# Altium PCB RoBeast_Control_Board_PCB.PcbDoc (part 2 of 3) (continued)
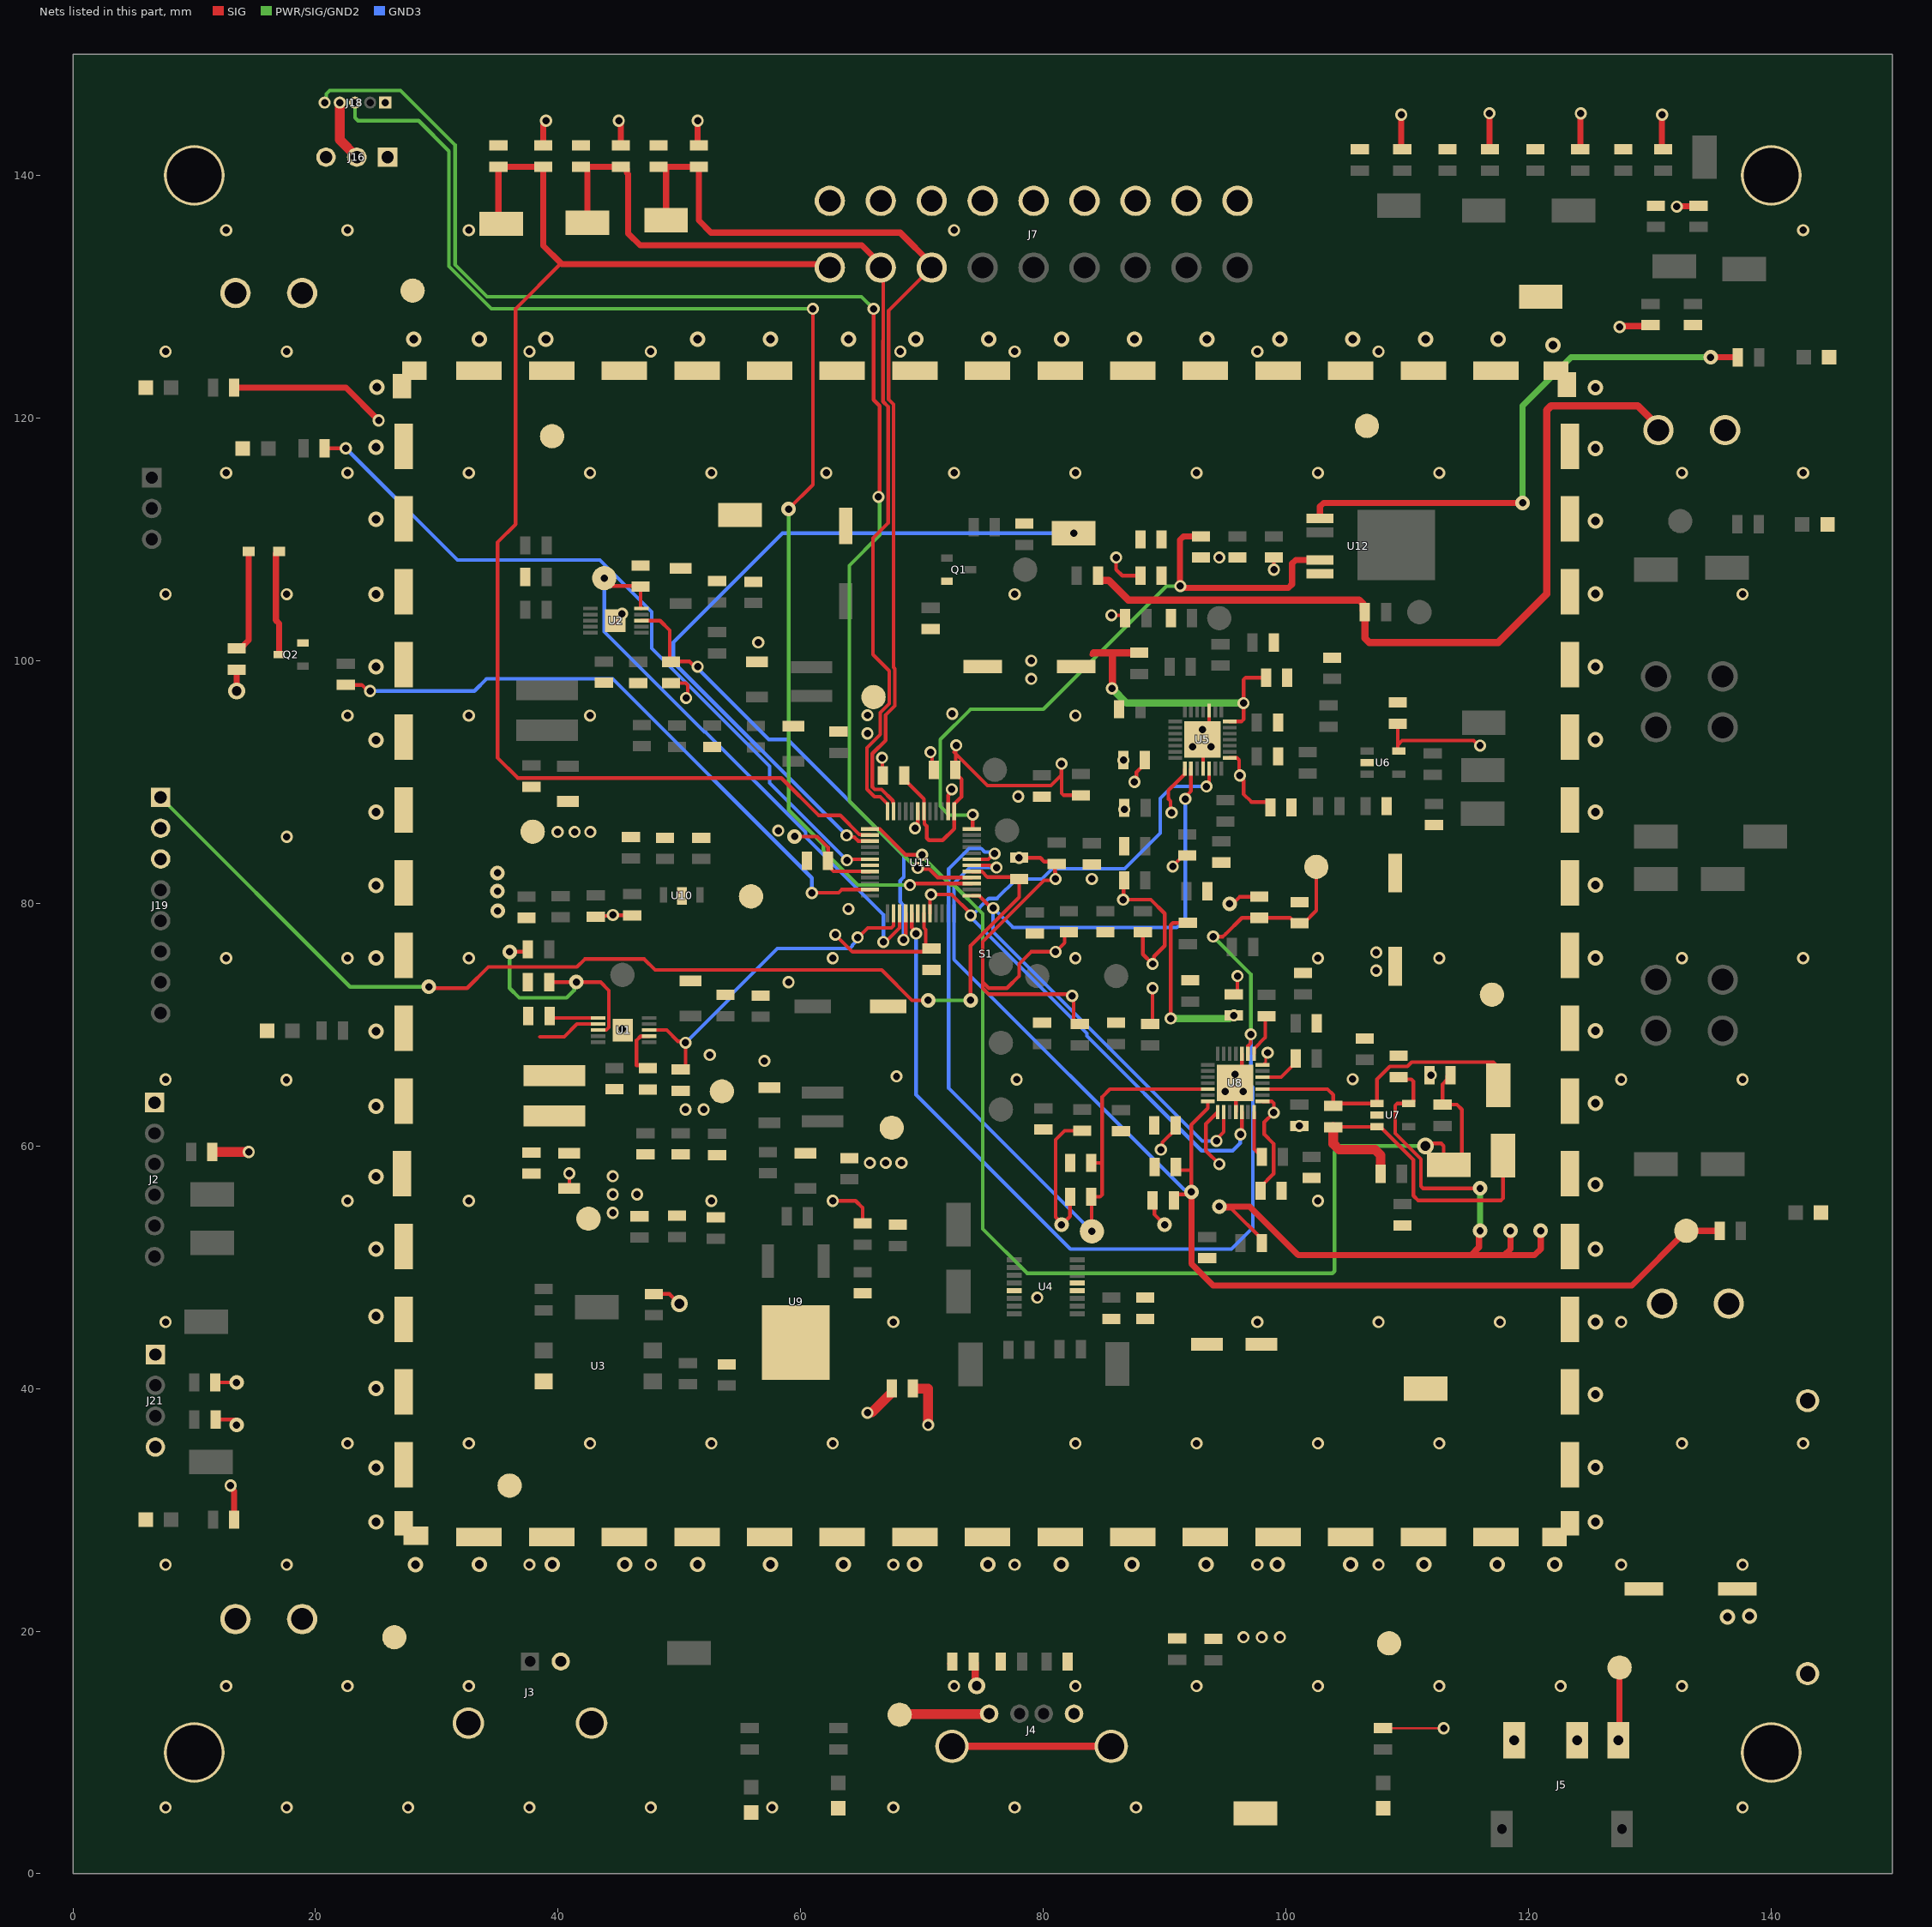
[diagram p4: the nets of this part, all layers, seen from the top]
## Part data (continued)
U9: library part UA78M33CKVURG3, "Fixed Positive Standard Regulator, 3.3VBIPolar, PSSO2", Dropout Voltage1-Nom=2V, Input Voltage Absolute-Max=35V, Manufacturer="Texas Instruments", Max Input Voltage=25V, Min Input Voltage=5.3V, Operating Temperature, TJ-Max=125°C, Operating Temperature, TJ-Min=0°C, Output Current1-Max=500mA, Output Voltage1-Max=3.5V, Output Voltage1-Min=3.1V, Output Voltage1-Nom=3.3V, Package Body Material=Plastic, Package Code=TO-252, Package Equivalence Code=SMSIP3H,.38,90TB, Package Shape=Rectangular, Package Style="SMALL OUTLINE, HEAT SINK/SLUGMeter", Peak Reflow Temperature (Cel)=260°C, Supplier Part Number 1=296-21208-1-ND, Voltage Tolerance-Max=6%, Adjustability=FIXED, Category="Voltage Regulators - Linear", ComponentLink1Description=https://www.ti.com:443/lit/ds/symlink/ua78m.pdf?src-supplier=IHS+Markit, ComponentLink1URL=https://www.ti.com:443/lit/ds/symlink/ua78m.pdf?src-supplier=IHS+Markit, ComponentLink2Description=https://datasheet.ciiva.com/1512/1882046-1512317.pdf?src-supplier=Element14, ComponentLink2URL=https://datasheet.ciiva.com/1512/1882046-1512317.pdf?src-supplier=Element14, ComponentLink3Description=https://datasheet.ciiva.com/46394/1882046-46394975.pdf?src-supplier=Element14, ComponentLink3URL=https://datasheet.ciiva.com/46394/1882046-46394975.pdf?src-supplier=Element14, ComponentLink4Description=https://datasheet.ciiva.com/2042/ua78m05-2042378.pdf?src-supplier=Digikey, ComponentLink4URL=https://datasheet.ciiva.com/2042/ua78m05-2042378.pdf?src-supplier=Digikey, ComponentLink5Description=https://datasheet.ciiva.com/2042/ua78m05-2042377.pdf?src-supplier=Digikey, ComponentLink5URL=https://datasheet.ciiva.com/2042/ua78m05-2042377.pdf?src-supplier=Digikey, ComponentLink6Description=https://datasheet.ciiva.com/2042/ua78m05-2042376.pdf?src-supplier=Digikey, ComponentLink6URL=https://datasheet.ciiva.com/2042/ua78m05-2042376.pdf?src-supplier=Digikey, Height - Seated (Max)=2.52mm, JESD-30 Code=R-PSSO-G2, JESD-609 Code=e3, Length=6.6mm, Line Regulation-Max=0.1%, Load Regulation-Max=0.1%, Manufacturer Part Number=UA78M33CKVURG3, Moisture Sensitivity Level=3, Number of Functions=1, Number of Outputs=1, Number of Pins=2, Packaging="Tape and Reel", Pricing 1="1=0.59, 10=0.517, 25=0.4852, 100=0.3961, 250=0.36792, 500=0.31312, 1000=0.2505 (USD)", Qualification Status="Not Qualified", Reach SVHC Compliant=Yes, Regulator Type="FIXED POSITIVE SINGLE OUTPUT STANDARD REGULATOR", RoHS=Yes, RoHS Compliant=Yes, Stock 1=58004, Supplier 1=Digikey, Surface Mount=Yes, Technology=BIPOLAR, Terminal Finish=Tin, Terminal Form="Gull Wing", Terminal Pitch=2.29mm, Terminal Position=SINGLE, Width=6.095mm
U10: library part AS78L05RTR-E1, "Fixed Positive Standard Regulator, 5VBIPolar", Dropout Voltage1-Nom=1.8V, Input Voltage Absolute-Max=36V, Manufacturer=Diodes, Operating Temperature, TJ-Max=125°C, Operating Temperature, TJ-Min=-40°C, Output Current1-Max=100mA, Output Voltage1-Nom=5V, Package Body Material=Plastic, Package Equivalence Code=TO-243, Supplier Part Number 1=AS78L05RTR-E1DICT-ND, Voltage Tolerance-Max=5%, Adjustability=FIXED, Category="Voltage Regulators - Linear", ComponentLink1Description=https://datasheet.ciiva.com:443/pdfs/VipMasterIC/IC/DIOD/DIODS20236/DIODS20236-1.pdf?src-supplier=IHS+Markit, ComponentLink1URL=https://datasheet.ciiva.com:443/pdfs/VipMasterIC/IC/DIOD/DIODS20236/DIODS20236-1.pdf?src-supplier=IHS+Markit, ComponentLink2Description=https://datasheet.ciiva.com/30016/as78lxx-30016635.pdf?src-supplier=Avnet, ComponentLink2URL=https://datasheet.ciiva.com/30016/as78lxx-30016635.pdf?src-supplier=Avnet, JESD-609 Code=e3, Line Regulation-Max=0.15%, Load Regulation-Max=0.06%, Manufacturer Part Number=AS78L05RTR-E1, Moisture Sensitivity Level=3, Number of Outputs=1, Number of Pins=3, Packaging="Tape and Reel", Pricing 1="1=0.39, 10=0.291, 25=0.2628, 100=0.1815, 250=0.15288, 500=0.1242 (USD)", Qualification Status="Not Qualified", Reach SVHC Compliant=Yes, Regulator Type="FIXED POSITIVE SINGLE OUTPUT STANDARD REGULATOR", RoHS=Yes, RoHS Compliant=Yes, Stock 1=132070, Supplier 1=Digikey, Surface Mount=Yes, Technology=BIPOLAR, Terminal Finish=Tin
U11: library part DSPIC33CK64MP505T-I/PT, "16-Bit Size, 0-Ext Bit, 64MHz, CMOS, PQFP48", Manufacturer=Microchip, Supplier Part Number=DSPIC33CK64MP505T-I/PTCT-ND, Category=Microcontrollers, ComponentLink1Description=https://datasheet.ciiva.com:443/pdfs/VipMasterIC/IC/MCHP/MCHP-S-A0007771634/MCHP-S-A0007771634-1.pdf?src-supplier=IHS+Markit, ComponentLink1URL=https://datasheet.ciiva.com:443/pdfs/VipMasterIC/IC/MCHP/MCHP-S-A0007771634/MCHP-S-A0007771634-1.pdf?src-supplier=IHS+Markit, ComponentLink2Description=http://www.microchip.com/mymicrochip/filehandler.aspx?ddocname=en606233&src-supplier=Digikey, ComponentLink2URL=http://www.microchip.com/mymicrochip/filehandler.aspx?ddocname=en606233&src-supplier=Digikey, Manufacturer Part Number=DSPIC33CK64MP505T-I/PT, Pricing="1=3.75, 25=3.44, 100=3.12 (USD)", RoHS=No, Stock=1600, Supplier=Digikey
U12: library part BTS3011TEATMA1, "Current Limit SW 1-IN 1-OUT 3V to 5.5V 10A Automotive 7-Pin(6+Tab) D2PAK T/R", Manufacturer=Infineon, Supplier Part Number 1=448-BTS3011TEATMA1CT-ND, Category="Power Management ICs", ComponentLink1Description=https://datasheet.ciiva.com:443/pdfs/VipMasterIC/IC/INFN/INFN-S-A0006623395/INFN-S-A0006623395-1.pdf?src-supplier=IHS+Markit, ComponentLink1URL=https://datasheet.ciiva.com:443/pdfs/VipMasterIC/IC/INFN/INFN-S-A0006623395/INFN-S-A0006623395-1.pdf?src-supplier=IHS+Markit, Manufacturer Part Number=BTS3011TEATMA1, Pricing 1="1=2.62, 10=2.353, 25=2.2196, 100=1.891, 250=1.7756, 500=1.55364, 1000=1.2873 (USD)", Reach SVHC Compliant=No, RoHS=Yes, Stock 1=16298, Supplier 1=Digikey

## Via types
v1: diameter 1, hole 0.6, SIG to GND3, 276 vias
v2: diameter 1.27, hole 0.711, SIG to GND3, 69 vias
v3: diameter 1.2, hole 0.6, SIG to GND3, 29 vias
v4: diameter 1.4, hole 0.8, SIG to GND3, 11 vias

## Nets (pads, with @x,y where several pads share a name; then routed paths per layer and width w, separated by ;. In a path a pad name is that pad's centre, name@x,y a point inside that pad or via, vN(x,y) a via of type N, cw(c..) or ccw(c..) an arc to the next point about the centre after c; other vN are vias at no path point)
3V3: C47.2 C48.1 C49.1 C50.1 C58.1 C61.1 C66.1 C67.1 J16.3 J19.2 J21.1 J22.2 R1.1 R4.1 R16.2 R30.1 R33.2 R34.1 R39.1 R42.1 R45.1 R49.1 R51.2 R52.2 R53.2 R54.2 R55.2 R56.1 R59.1 R60.2 R61.2 R62.2 R63.2 R65.2 R66.2 R68.1 R72.2 R73.2 R74.1 R76.1 R81.2 R86.2 R88.2 R90.2 R102.2 R103.2 R105.1 R109.1 TP28.1 TP34.1 U5.15 U6.5 U7.5 U8.15 U11.13 U11.18 U11.32 U11.43 | length 248.6
  SIG w0.3: R105.1@11.75,40.5 v3(13.5,40.5) ; R59.1@11.758,37.446 13.5,37.446 v3(13.5,37) ; R81.2@47.9,47.8 49.174,47.8 49.974,47 v4(50,47) ; R73.2@49.3,98.15 50.5,98.15 50.676,97.974 50.676,97.049 v1(50.543,96.916) ; v3(59.5,85.5) 61.364,85.5 62.25,84.614 C48.1@62.25,83.5 ; C48.1@62.037,82.963 62.462,82.963 62.525,82.9 62.525,82.802 62.701,82.627 65.098,82.627 65.1,82.624 U11.32@65.698,82.624 ; v1(62.85,77.414) 64.264,76 70.502,76 C47.2@70.774,76.272 70.449,76.272 70.3,76.421 70.3,77.831 70.15,77.981 U11.43@70.15,79.174 ; C50.1@68.523,90.539 68.523,90.214 70.15,88.588 U11.18@70.15,87.574 70.15,86.886 70.2,86.836 70.2,86.54 70.385,86.355 70.385,85.371 70.561,85.195 71.7,85.195 72.65,86.145 72.65,88.174 73.25,88.774 73.25,90.224 73.074,90.4 73.008,90.4 72.733,90.675 C49.1@72.733,91 ; 72.628,92.469 75.396,89.7 80.622,89.7 81.472,90.55 81.472,91.472 v1(81.5,91.5) 81.5,90.55 81.5,89.076 81.676,88.9 R39.1@83.1,88.9 ; C49.1@72.772,91 72.772,92.469 ; 72.772,92.519 72.772,92.98 v1(72.811,93.019) ; v1(78,83.75) 79.75,83.75 80.076,83.424 80.5,83.424 80.512,83.412 80.512,82.988 80.937,82.988 80.949,82.975 80.949,82.551 v1@81,82.5 ; 81,82.551 v1(81,82) 80.886,81.886 80.05,81.886 75,76.836 75,73.5 ; R42.1@81,82.988 81,83.15 R42.1@81.1,83.25 ; R34.1@82.1,77.6 82.017,77.6 81.742,77.325 81.742,76.742 v1(81,76) 79,76 78,75 78,74 77,73 75.5,73 75,73.5 ; R103.2@82.2,55.8 82.2,54.2 v3(81.5,53.5) 81.5,53.626 81,54.126 81,60.5 81.75,61.25 R68.1@83.2,61.25 ; v1(82.369,72.369) 82.237,72.5 75.5,72.5 75,73 75,73.5 ; v1@82.5,72.369 82.5,70.325 82.775,70.05 R76.1@83,70.05 ; v1(85.609,103.741) 86.509,103.741 R30.1@86.75,103.5 ; v1(86,108.5) 86,107.5 86.5,107 R90.2@88,107 ; R33.2@86.65,81.9 86.612,81.863 86.612,80.338 v1(86.575,80.3) 88.849,80.3 90,79.149 90,76.5 89.122,75.622 89.122,75.122 v1(89,75) 88.2,75.8 R102.2@88.2,77.6 ; v1(87.5,90) 87.672,90.172 87.672,90.797 88.35,91.475 C58.1@88.35,91.8 ; R74.1@88.8,70.05 89,70.25 v1(89,73) ; R65.2@89.15,56 89.15,54.35 v3(90,53.5) ; v1(89.684,59.684) 89.818,59.818 89.818,60.293 90.9,61.375 C61.1@90.9,61.7 ; v1(90.569,87.469) 90.478,87.559 90.478,88.419 90.328,88.569 90.328,88.667 90.3,88.696 90.3,89.302 91.666,90.668 U5.15@91.666,91.093 ; v1(90.664,83.031) 90.664,83.056 91.539,83.931 R49.1@91.864,83.931 ; U8.15@94.366,62.787 93.4,61.821 93.4,59.6 v1(94.5,58.5) ; v3(94.5,55) 94.672,54.828 95.497,54.828 98,52.325 R56.1@98,52 ; v3(95.351,79.956) 95.594,79.956 96.163,80.525 97.775,80.525 R45.1@97.8,80.55 ; C67.1@109,65.395 109.275,65.67 C67.1@109.283,65.67 109.454,65.5 110.324,65.5 110.5,65.324 110.5,63.65 110.35,63.5 U7.5@110.1,63.5 109.176,63.5 109,63.324 109,61.031 111.125,58.906 111.125,56.676 111.301,56.5 v3(116,56.5) ; C66.1@109.222,94.806 109.222,92.628 U6.5@109.3,92.55 ; 109.229,93.069 109.575,93.414 115.461,93.414 115.876,93 v1(116,93)
  SIG w0.5: v1(13,32) 13,31.865 13.3,31.565 R4.1@13.3,29.2 ; v4(13.5,97.5) R109.1@13.5,99.25 ; R52.2@38.778,142.467 38.778,144.143 39,144.365 v1(39,144.5) ; v1(45,144.5) 45,144.365 45.178,144.187 R63.2@45.178,142.467 ; v1(51.5,144.5) 51.5,142.565 R51.2@51.598,142.467 ; v3(94.5,55) 97,55 101,51 115.259,51 ; v1(109.5,145) 109.5,142.235 R62.2@109.585,142.15 ; v3(116,53) 115.909,52.909 115.909,51.65 115.259,51 ; v1(116.772,145.121) 116.772,142.192 R61.2@116.814,142.15 ; v3(118.5,53) 118.5,51.5 118,51 ; v3(121,53) 121,51.5 120.5,51 118,51 ; R60.2@124.258,142.15 124.258,145.068 v1(124.293,145.103) ; v1(127.5,127.5) 127.574,127.574 129.971,127.574 R55.2@130.045,127.648 ; v1(131,145) 131,142.25 R53.2@131.1,142.15 ; v1(132.219,137.431) 132.254,137.465 133.965,137.465 R54.2@134,137.5 ; 115.259,51 118,51
  PWR/SIG/GND2 w0.5: v3(116,53) v3(116,56.5)
  other v1: 44.506,54.485 44.5,56 46.5,56 44.5,57.5 50.5,63 52,63 52.5,67.5 94.5,108.5
3V3_PG: R16.1 U1.8 U11.38 | length 28.3
  SIG w0.3: U1.8@47.494,69.551 48.949,69.551 49.878,68.622 50.378,68.622 v1(50.5,68.5) 50.5,66.575 50.225,66.3 R16.1@50.1,66.3 ; v1(64.684,77.184) 64.736,77.184 65.526,77.974 67.474,77.974 67.65,78.149 U11.38@67.65,79.174
  GND3 w0.3: v1(50.5,68.5) 54.355,72.355 54.355,72.555 58.076,76.276 64.037,76.276 64.25,76.488 64.25,76.56 64.684,76.995 v1(64.684,77.184)
5V: J16.1 J23.2 R20.1 R23.1 R58.1 R67.2 TP35.1 | length 16
  SIG w0.5: R58.1@13.3,122.5 22.506,122.5 v1(25.209,119.797)
  SIG w0.8: v1(65.5,38) 65.538,38.038 65.863,38.038 67.5,39.675 R23.1@67.5,40
  other v1: 39.954,85.878 41.354,85.878 42.654,85.878
5V_EN: R19.1 TP60.1 U2.10 U11.39 | length 47.8
  SIG w0.3: v1(43.8,106.8) 44.45,106.15 46.75,106.15 R19.1@46.8,106.1 46.8,104.3 46.802,104.298 U2.10@46.867,104.298 ; v1(66.812,76.804) 66.979,76.804 68.15,77.974 U11.39@68.15,79.174
  GND3 w0.3: v1(43.8,106.8) 43.8,102.387 52.057,94.13 52.143,94.13 60.4,85.873 60.4,85.469 66.812,79.057 v1(66.812,76.804)
5V_PG: R73.1 U2.8 U11.40 | length 40.6
  SIG w0.3: U2.8@46.867,103.298 48.402,103.298 49.2,102.5 R73.1@49.2,99.9 ; R73.1@49.3,99.9 49.338,99.938 50.818,99.938 51.256,99.5 v1(51.5,99.5) ; v1(68.471,76.986) 68.471,77.175 68.65,77.354 U11.40@68.65,79.174
  GND3 w0.3: v1(51.5,99.5) 51.5,99.369 57.368,93.501 58.913,93.501 68.5,83.914 68.5,82.165 68.2,81.865 68.2,80.116 68.471,79.845 v1(68.471,76.986)
5V_USB: C10.1 J4.1 R6.1 R8.1 R23.2 TP27.1 | length 16.9
  SIG w0.6: C10.1@74.25,17.5 74.375,17.375 74.375,15.625 v4(74.5,15.5) ; J4.1@75.403,13.327 J4.1@75.53,13.2
  SIG w0.8: R6.1@11.5,59.5 v1(14.5,59.5) ; TP27.1@68.153,13.113 68.196,13.156 75.486,13.156 J4.1@75.53,13.2 ; R23.2@69.25,40 70.5,40 v1(70.5,37)
  other v1: 96.5,19.5 98,19.5 99.5,19.5
/MCLR: J19.1 R72.1 U11.5 | length 91.5
  SIG w0.3: v3(29.343,73.113) 29.456,73 32.5,73 34.25,74.75 41.546,74.75 42.196,75.4 47.1,75.4 48,74.5 66.674,74.5 69.174,72 v3(70.5,72) ; v3(74,72) 74,76.5 78,80.5 R72.1@78,82 77.85,82.15 75.399,82.15 74.924,82.624 U11.5@74.1,82.624
  PWR/SIG/GND2 w0.3: J19.1@7.237,88.726 22.85,73.113 v3(29.343,73.113) ; v3(70.5,72) v3(74,72)
A_HOME: C31.1 J7.9 R52.1 TP20.1 U11.26 | length 115.6
  SIG w0.3: 40.241,132.741 36.5,129 36.5,111.25 35,109.75 35,92 36.675,90.325 58.402,90.325 61.475,87.252 63.248,87.252 64.826,85.674 64.962,85.674 65.012,85.624 U11.26@65.7,85.624
  SIG w0.5: TP20.1@35.078,136.222 C31.1@35.078,140.717 R52.1@38.778,140.717 38.778,134.204 40.241,132.741 40.3,132.682 62.112,132.682 J7.9@62.394,132.4
  SIG w0.6: TP20.1@35.078,136.222 TP20.1@35.3,136
"AC/DC IN": C26.1 F1.1 J5.1 J20.2 R5.1 TP7.1 | length 11
  SIG w0.2: R5.1@108,12 v1(113,12)
  SIG w0.5: J5.1@127.4,11 127.5,11.1 TP7.1@127.5,17
  other v2: 136.383,21.171 138.214,21.229
BUZZER: R106.1 U11.35 | length 52.3
  SIG w0.3: R106.1@22.175,98 23.811,98 24.311,97.5 v1(24.5,97.5) ; v1(60.913,80.851) 60.938,80.876 63.128,80.876 63.376,81.124 U11.35@65.7,81.124
  GND3 w0.3: v1(24.5,97.5) 33.095,97.5 34.095,98.5 44.5,98.5 60.913,82.087 v1(60.913,80.851)
CCT_24V: C24.1 C25.1 C27.1 C52.1 C53.1 C54.1 C55.1 C59.1 F1.2 J17.1 R13.2 R21.2 R78.1 R80.1 TP36.1 TP61.1 U5.22 U5.28 U8.22 U8.28 | length 56.5
  SIG w0.15: U8.28@98.062,66.677 98.125,66.677 U8.28@98.2,66.752
  SIG w0.2: v1(96.203,90.537) v1@96.203,90.754 ; U8.28@98.2,66.752 98.2,66.781 98.333,66.914 98.333,67.531 v1(98.486,67.684)
  SIG w0.3: R80.1@37.277,78.923 R80.1@37.4,78.8 ; v1(90.5,70.5) 90.5,78.203 90.676,78.379 C27.1@91.914,78.379 ; U5.22@95.362,91.982 95.958,91.982 96.133,91.807 96.133,90.823 v1@96.203,90.754 ; U5.28@95.362,94.982 96.324,94.982 96.5,95.158 96.5,98.424 96.676,98.6 C52.1@98.35,98.6 ; v1@96.203,90.429 96.5,90.132 96.5,89 97.15,88.35 C53.1@98.575,88.35 ; C54.1@97.9,56.625 98.975,57.7 98.975,60.181 98.2,60.956 98.2,61.953 v1(98.995,62.747) 98.995,63.505 98.823,63.677 U8.22@98.062,63.677
  SIG w0.4: 84,100.5 84.15,100.65 ; C54.1@97.9,56.3 C54.1@97.9,56.625
  SIG w0.6: 84.15,100.65 85.703,100.65 ; v1(85.653,97.708) 85.703,97.758 85.703,100.65 ; C59.1@87.9,100.65 85.703,100.65 ; v1@96.203,90.429 v1(96.203,90.537) ; C53.1@98.575,88.35 98.7,88.225 C53.1@98.7,87.9
  PWR/SIG/GND2 w0.6: v1(85.653,97.708) 86.861,96.5 v1(96.5,96.5) ; v1(90.5,70.5) 95.342,70.5 95.592,70.75 v1(95.7,70.75)
  other v1: 65.7,58.6 67,58.6 68.3,58.6 107.444,74.452 107.444,75.952 65.5,94 65.5,95.5 79,98.5 79,100
  other v3: 35.023,79.373 35,81 35,82.5
DC_BRAKE_GND: J17.2 R87.2 R92.1 | length 68.1
  SIG w0.6: R92.1@84.5,107 84.5,106.751 84.625,106.626 85.374,106.626 87,105 106.024,105 106.375,104.649 106.375,104.125 R87.2@106.5,104 106.5,101.851 106.851,101.5 117.5,101.5 121.5,105.5 121.5,120.649 121.851,121 129,121 130.7,119.3 J17.2@130.7,119
DC_BRAKE_SIG: R3.1 R57.1 R89.1 R90.1 TP56.1 U11.27 U12.1 | length 105.9
  SIG w0.3: v1(63.778,85.591) 63.912,85.457 64.407,85.457 64.739,85.124 U11.27@65.7,85.124
  SIG w0.5: U12.1@102.8,111.72 102.8,112.707 103.093,113 v3(119.5,113) ; v3(135,125) R57.1@137.25,125
  PWR/SIG/GND2 w0.5: v3(119.5,113) 119.5,121 123.5,125 v3(135,125)
  GND3 w0.3: v1(63.778,85.591) 49.5,99.869 49.5,101.5 58.5,110.5 v1(82.5,110.5)
DC_BRAKE_STATUS: R86.1 U11.12 U12.4 | length 53.9
  SIG w0.3: U11.12@74.1,86.124 74.175,86.124 v1(74.175,87.3)
  SIG w0.5: R86.1@93,110.25 91.556,110.25 91.263,109.957 91.263,106.293 91.556,106 100.207,106 100.5,106.293 100.5,108 100.8,108.3 U12.4@102.8,108.3
  PWR/SIG/GND2 w0.3: v1(74.175,87.3) 74.145,87.27 72.23,87.27 71.5,88 71.5,93.5 74,96 80,96 90.146,106.146 v1(91.283,106.146)
DRV_DIR: U5.19 U8.19 U11.44 | length 66
  SIG w0.3: U11.44@70.65,79.174 70.65,80.624 v1(70.744,80.718) 72.43,80.718 74,79.149 v1(74,79) ; v1(93.439,89.627) 93.439,89.816 93.666,90.043 U5.19@93.666,91.093 ; v1(96.248,60.948) 96.366,61.066 U8.19@96.366,62.787
  GND3 w0.3: v1(93.439,89.627) 90.625,89.627 89.634,88.636 89.634,85.778 86.706,82.85 80.719,82.85 79.869,82 77.781,82 76.178,80.396 75.504,80.396 74.108,79 v1(74,79) 74,78.864 83.591,69.273 83.591,69.063 93.048,59.606 95.606,59.606 96.226,60.226 96.226,60.926 v1(96.248,60.948)
DRV_STEP: U5.16 U8.16 U11.1 | length 61.7
  SIG w0.3: U11.1@74.1,80.624 74.7,80.624 75.728,79.596 v1(75.862,79.596) ; v1(91.7,88.6) 91.7,88.789 92.166,89.255 U5.16@92.166,91.093 ; v1(94.273,60.406) 94.273,60.563 94.866,61.156 U8.16@94.866,62.787
  GND3 w0.3: v1(75.862,79.596) 75.958,79.5 v1@76,79.5 ; v1(91.7,88.6) 91.7,78.7 91,78 77.5,78 v1@76,79.5 ; v1(94.273,60.406) 93.094,60.406 75.848,77.652 75.848,79.348 v1@76,79.5
e_CURRENT: C57.1 R85.2 TP54.1 U11.25 | length 99.2
  SIG w0.3: U11.25@65.7,86.124 66.524,86.124 68.649,84 v1(70,84) ; v4(111.5,60) 111.7,60.2 112.8,60.2 113,60 113,58.862 TP54.1@113.425,58.437 113.65,58.437 114.5,59.287 114.5,63 114.1,63.4 R85.2@112.9,63.4 112.9,65.075 113.3,65.475 C57.1@113.3,65.8
  PWR/SIG/GND2 w0.3: v1(70,84) 70,83.869 72.35,81.519 72.613,81.519 75,79.131 75,53.164 78.664,49.5 103.824,49.5 104,49.676 104,59.5 104.5,60 v4(111.5,60)
eENBL: R44.1 R45.2 TP42.1 U8.2 U11.41 | length 88.9
  SIG w0.3: U11.41@69.15,79.174 69.15,77.999 69.5,77.649 v1(69.5,77.5) ; v1(94,77.25) 94.801,77.25 95.001,77.45 95.011,77.45 96.361,78.8 100.35,78.8 100.8,78.35 R44.1@101.125,78.35 ; U8.2@96.866,67.587 96.866,68.236 97.093,68.463 97.093,69.193 v1(97.1,69.2) ; R44.1@101.5,78.4 102.5,79.4 TP42.1@102.5,83
  PWR/SIG/GND2 w0.3: v1(94,77.25) 97.1,74.15 v1(97.1,69.2)
  GND3 w0.3: v1(69.5,77.5) 69.5,64.227 82.227,51.5 95.5,51.5 97.271,53.271 97.271,64.831 97.1,65.003 v1(97.1,69.2)
ELEV_1: C30.1 J7.7 R51.1 TP16.1 U11.23 | length 81.7
  SIG w0.3: U11.23@67.65,87.574 67.65,88.262 67.6,88.312 67.6,88.449 66.66,89.388 66.099,89.388 65.9,89.587 65.9,92.331 67,93.431 67,95.525 67.75,96.275 67.75,99.341 67.65,99.441 67.65,103.894 67.65,107.057 67.65,121.123 67.234,121.539 67.234,125.923 67.25,125.939 67.25,128.856 J7.7@70.794,132.4
  SIG w0.5: C30.1@48.278,140.717 C30.1@48.603,140.717 ; TP16.1@49.006,136.406 TP16.1@48.9,136.3 48.9,140.42 C30.1@48.603,140.717 ; J7.7@70.794,132.4 70.794,132.682 68.194,135.282 52.6,135.282 51.598,136.284 R51.1@51.598,140.717 C30.1@48.603,140.717
ELEV_2: C38.1 J7.8 R63.1 TP24.1 U11.24 | length 84
  SIG w0.3: J7.8@66.594,132.4 66.8,132.194 66.8,126.376 66.784,126.36 66.784,121.353 67.2,120.936 67.2,111.345 65.95,110.095 65.95,100.504 67.3,99.154 67.3,96.462 66.55,95.712 66.55,93.919 65.45,92.819 65.45,89.401 66.075,88.776 66.548,88.776 67.15,88.174 U11.24@67.15,87.574
  SIG w0.5: C38.1@41.878,140.717 C38.1@42.203,140.717 ; TP24.1@42.4,136.1 42.4,140.52 C38.1@42.203,140.717 ; J7.8@66.594,132.4 66.594,132.682 65.044,134.232 46.75,134.232 45.778,135.204 45.778,140.117 45.678,140.217 45.678,140.542 45.503,140.717 R63.1@45.178,140.717 C38.1@42.203,140.717
ENCODER_A: J18.3 U11.3 | length 111.2
  SIG w0.3: v3(59,112.5) 61,114.5 v1(61,129) ; v1(69,81.5) 69.124,81.624 U11.3@74.1,81.624
  PWR/SIG/GND2 w0.3: J18.3@23.25,146 23.25,144.75 23.5,144.5 28.5,144.5 31,142 31,132.5 34.5,129 v1(61,129) ; v3(59,112.5) 59,87.706 61.861,84.845 61.861,84.361 64.722,81.5 v1(69,81.5)
ENCODER_B: J18.5 U11.4 | length 113.9
  SIG w0.3: v1(66,129) 66,121.5 66.5,121 66.5,113.6 v1(66.4,113.5) ; v1(69.647,82.905) 69.746,82.807 70.6,82.807 71.283,82.124 U11.4@74.1,82.124
  PWR/SIG/GND2 w0.3: J18.5@20.75,146 20.884,146.134 20.884,146.708 21.176,147 27,147 31.5,142.5 31.5,132.636 34.136,130 65,130 v1(66,129) ; v1(66.4,113.5) 66.5,113.4 66.5,110.342 64,107.842 64,88.414 69.509,82.905 v1(69.647,82.905)
ENCODER_PWR: J16.2 J18.4 | length 5.1
  SIG w0.8: J18.4@22,146 22,142.928 23.4,141.528 J16.2@23.4,141.5
eRES: R103.1 R104.1 TP62.1 U8.12 U11.7 | length 63.4
  SIG w0.3: U11.7@74.1,83.624 75.463,83.624 75.929,84.089 v1(75.984,84.089) ; R104.1@83.95,58.6 84.674,58.6 84.85,58.424 ; v3(84.004,52.957) 83.977,52.984 83.977,55.773 R103.1@83.95,55.8 84.674,55.8 84.85,55.976 84.85,58.424 ; U8.12@93.562,64.677 85.477,64.677 84.85,64.05 84.85,58.424
  GND3 w0.3: v1(75.984,84.089) 75.85,84.223 75.161,84.223 74.884,84.5 73.864,84.5 72.184,82.821 72.184,64.776 v3(84.004,52.957)
eSLP: R9.1 R64.1 R65.1 TP43.1 U8.14 U11.6 | length 103.1
  SIG w0.3: U11.6@74.1,83.124 75.625,83.124 75.666,83.084 76.005,83.084 v1(76.139,82.95) ; R65.1@90.7,55.8 90.9,56 92,56 v3(92.2,56.2) 92.2,58 ; R64.1@90.923,58.266 91.189,58 92.2,58 ; U8.14@93.562,63.677 93.562,63.103 92.2,61.741 92.2,58
  SIG w0.5: v3(92.2,56.2) 92.2,50.3 94,48.5 128.5,48.5 TP43.1@133,53 R9.1@135.75,53
  GND3 w0.3: v1(76.139,82.95) 73.95,82.95 72.634,81.634 72.634,75.366 91.628,56.372 92.028,56.372 v3(92.2,56.2)
eSTEPPER_1A: R84.2 R98.1 TP53.1 U7.3 | length 29.1
  SIG w0.3: R84.2@103.9,61.55 103.925,61.575 107.475,61.575 U7.3@107.5,61.6 107.75,61.6 110.5,58.85 110.5,55.899 110.899,55.5 117.706,55.5 117.882,55.676 TP53.1@117.882,59.196
  SIG w0.8: R84.2@103.9,61.55 103.9,60.169 104.369,59.7 107.331,59.7 107.8,59.231 R98.1@107.8,57.7
eSTEPPER_1A_CURRENT_SENSE: R84.1 TP52.1 U7.1 U8.24 | length 24.6
  SIG w0.3: U8.24@98.062,64.677 103.423,64.677 103.9,64.2 R84.1@103.9,63.3 104.1,63.5 U7.1@107.5,63.5 107.5,65.486 108.559,66.545 110.008,66.545 110.367,66.905 117.095,66.905 TP52.1@117.5,66.5 ; TP52.1@116.65,65.85 TP52.1@117.5,65
eSTEPPER_1B: R99.1 U8.21 | length 4.3
  SIG w0.3: U8.21@97.366,62.787 97.366,59.734 R99.1@98,59.1 R99.1@98,59.425
eSTEPPER_2A: R100.1 U8.26 | length 3.6
  SIG w0.3: U8.26@98.062,65.677 99.602,65.677 100.8,66.875 R100.1@100.8,67.2
eSTEPPER_2B: R101.1 U8.1 | length 3.5
  SIG w0.3: U8.1@97.366,67.587 97.366,68.012 98.3,68.946 98.3,70.6 R101.1@98.4,70.7
G_LED: R107.1 U11.30 | length 61.6
  SIG w0.3: R107.1@20.75,117.5 v1(22.5,117.5) ; v1(63.808,83.546) 63.887,83.624 U11.30@65.7,83.624
  GND3 w0.3: v1(22.5,117.5) 31.7,108.3 43.431,108.3 47.718,104.014 47.718,101.015 57.433,91.299 57.433,89.921 v1(63.808,83.546)
GND: C2.2 C3.2 C4.2 C5.2 C6.1 C7.1 C8.2 C9.2 C10.2 C11.2 C12.2 C13.2 C14.2 C16.2 C17.2 C19.2 C20.2 C21.2 C22.2 C23.2 C24.2 C25.2 C26.2 C29.2 C30.2 C31.2 C32.2 C33.2 C34.2 C35.2 C36.2 C37.2 C38.2 C39.2 C40.2 C41.2 C42.2 C47.1 C48.2 C49.2 C50.2 C52.2 C53.2 C54.2 C55.2 C56.2 C57.2 C58.2 C61.2 C62.2 C63.2 C66.2 C67.2 J2.1 J3.2 J3.3 J3.4 J4.4 J4.5 J4.6 J5.2 J5.3 J7.10 J7.11 J7.12 J7.13 J7.14 J7.15 J7.16 J7.17 J7.18 J18.1 J19.3 J20.1 J21.4 J22.1 J23.1 LED1.2 LED2.2 LED3.2 LED4.2 LED5.2 LED6.2 LED7.2 LED8.2 LED9.2 LED10.2 M1.1 M2.1 M3.1 M4.1 NP1.1 NP2.1 NP3.1 NP4.1 NP5.1 NP6.1 NP7.1 NP8.1 NP9.2 NP10.2 NP11.2 NP12.2 NP13.2 NP14.2 NP15.2 NP16.2 NP17.1 Q1.2 Q2.2 R15.2 R18.2 R19.2 R24.2 R26.2 R28.2 R29.2 R31.2 R32.2 R35.2 R36.2 R37.2 R38.2 R40.2 R41.2 R43.2 R44.2 R48.2 R50.2 R64.2 R69.2 R75.2 R77.2 R89.2 R91.2 R94.2 R104.2 S1.1 S1.2 S1.3 S1.4 S1.5 S1.6 S1.7 S1.8 S1.9 S1.10 S1.11 S1.12 S1.13 S1.14 S1.15 S1.16 S1.17 S1.18 S1.19 S1.20 S1.21 S1.22 S1.23 S1.24 S1.25 S1.26 S1.27 S1.28 S1.29 S1.30 S1.31 S1.32 S1.33 S1.34 S1.35 S1.36 S1.37 S1.38 S1.39 S1.40 S1.41 S1.42 S1.43 S1.44 S1.45 S1.46 S1.47 S1.48 S1.49 S1.50 S1.51 S1.52 S1.53 S1.54 S1.55 S1.56 S1.57 S1.58 S1.59 S1.60 S1.61 S1.62 S1.63 S1.64 S1.65 S1.66 S1.67 S1.68 TP29.1 TP30.1 TP31.1 TP32.1 TP59.1 TP63.1 TP64.1 TP65.1 TP66.1 TP67.1 TP68.1 TP69.1 U1.11 U2.11 U3.2 U4.5 U4.13 U5.3 U5.18 U5.29 U6.2 U7.2 U8.3 U8.18 U8.29 U9.2 U10.2 U11.14 U11.19 U11.31 U11.42 U12.5 | length 36.7
  SIG w0.3: C2.2@40.9,56.5 40.924,56.5 v1(40.924,57.738) ; NP15.2@43.1,78.9 43.167,78.967 44.446,78.967 v1(44.513,79.035) 44.53,79.017 46.083,79.017 C42.2@46.1,79 ; v1(62.635,55.476) 64.524,55.476 65.1,54.9 NP13.2@65.1,53.6 ; v1(66.7,92) 66.737,91.963 66.737,90.801 66.886,90.652 C50.2@66.773,90.539 ; v1(69.423,86.186) 69.423,86.344 69.65,86.571 U11.19@69.65,87.574 ; v1(70.692,92.458) 70.826,92.324 70.826,91.158 C49.2@70.983,91 ; U11.14@72.15,87.574 72.15,88.903 72.45,89.203 v1(72.45,89.393) ; U5.29@93.109,93.5 U5.29@93.166,93.443 ; U5.18@93.166,91.093 93.166,92.279 U5.29@93.185,92.298 ; U5.29@93.537,94.73 93.546,94.73 93.666,94.85 U5.3@93.666,95.893 ; C55.2@95.7,72.5 96,72.5 v1(96,74) ; U8.29@95.851,63.91 95.866,63.91 U8.18@95.866,62.787 ; U8.29@96.03,66.49 96.312,66.49 96.366,66.544 U8.3@96.366,67.587 ; v1(99,107.5) C62.2@99,108.5
  SIG w0.6: C10.2@72.375,17.315 72.5,17.44 C10.2@72.5,17.5 ; J4.5@72.46,10.5 J4.6@85.6,10.5
  PWR/SIG/GND2 w0.6: J4.6@85.6,10.5 J4.6@85.6,11.082
  other v1: 7.635,5.476 17.635,5.476 27.635,5.476 37.635,5.476 47.635,5.476 57.635,5.476 67.635,5.476 77.635,5.476 87.635,5.476 137.635,5.476 12.635,15.476 22.635,15.476 32.635,15.476 72.635,15.476 82.635,15.476 92.635,15.476 102.635,15.476 112.635,15.476 122.635,15.476 132.635,15.476 7.635,25.476 17.635,25.476 37.635,25.476 47.635,25.476 67.635,25.476 77.635,25.476 97.635,25.476 107.635,25.476 127.635,25.476 137.635,25.476 22.635,35.476 32.635,35.476 42.635,35.476 52.635,35.476 62.635,35.476 82.635,35.476 92.635,35.476 102.635,35.476 112.635,35.476 132.635,35.476 142.635,35.476 7.635,45.476 67.635,45.476 97.635,45.476 107.635,45.476 117.635,45.476 127.635,45.476 79.5,47.5 22.635,55.476 32.635,55.476 52.635,55.476 102.635,55.476 101.1,61.65 95,64.5 96.471,64.5 17.6,65.441 7.635,65.476 77.8,65.476 127.635,65.476 137.635,65.476 105.5,65.5 67.895,65.736 111.937,65.834 95.808,65.911 57,67 45.286,69.65 59,73.5 12.635,75.476 22.635,75.476 32.635,75.476 62.635,75.476 82.635,75.476 102.635,75.476 112.635,75.476 132.635,75.476 142.635,75.476 63.933,79.537 84,82 17.635,85.476 58.145,85.986 86.674,87.737 77.929,88.8 86.6,91.8 92.312,92.919 93.812,92.919 93.12,94.33 22.635,95.476 32.635,95.476 42.635,95.476 82.635,95.476 72.49,95.621 56.5,101.5 45.267,103.864 7.635,105.476 17.635,105.476 77.635,105.476 137.635,105.476 12.635,115.476 22.635,115.476 32.635,115.476 42.635,115.476 52.635,115.476 62.101,115.476 72.635,115.476 82.635,115.476 92.635,115.476 102.635,115.476 112.635,115.476 132.635,115.476 142.635,115.476 7.635,125.476 17.635,125.476 37.635,125.476 47.635,125.476 68.209,125.476 77.635,125.476 97.635,125.476 107.635,125.476 12.635,135.476 22.635,135.476 32.635,135.476 72.635,135.476 142.635,135.476
  other v2: 28.25,25.476 33.5,25.5 39.5,25.5 45.5,25.5 51.5,25.5 57.5,25.5 63.5,25.5 69.391,25.5 75.415,25.5 81.459,25.5 87.303,25.5 93.408,25.5 99.292,25.5 105.34,25.5 111.361,25.5 117.408,25.5 122.161,25.5 25,29 125.5,29 25,33.463 125.5,33.5 125.5,39.5 25,40 125.5,45.5 25,45.963 25,51.5 125.5,51.5 125.5,56.815 25,57.463 25,63.265 125.5,63.5 25,69.463 125.5,69.5 25,75.5 125.5,75.5 25,81.463 125.5,81.5 25,87.5 125.5,87.5 25,93.463 125.5,93.5 25,99.5 125.5,99.5 25,105.463 125.5,105.5 125.5,111.5 25,111.637 125.5,117.5 25,117.6 125.5,122.5 25.052,122.552 122,126 28.097,126.5 33.5,126.5 39,126.5 51.5,126.5 57.5,126.5 63.935,126.5 69.5,126.5 75.5,126.5 81.5,126.5 87.5,126.5 93.5,126.5 99.5,126.5 105.5,126.5 111.5,126.5 117.5,126.5
NetB1_1: B1.1 R109.2 | length 8.6
  SIG w0.5: R109.2@13.5,101 13.825,101 14.5,101.675 B1.1@14.5,109
NetB1_2: B1.2 Q2.3 | length 8.8
  SIG w0.5: Q2.3@17,100.5 17,103.067 16.735,103.332 16.735,108.835 16.9,109 B1.2@17,109
NetC1_1: C1.1 U1.1 | length 4
  SIG w0.3: C1.1@39.3,70.7 39.449,70.551 U1.1@43.283,70.551
NetC1_2: C1.2 L2.2 U1.2 | length 5.2
  SIG w0.3: 38.5,69 40.5,69 41.551,70.051 U1.2@43.283,70.051
NetC2_1: C2.1 C15.1 L2.1 R1.2 R17.1
NetC3_1: C3.1 R14.2 U1.3 | length 20.5
  SIG w0.3: v3(36,76) 37.3,76 R14.2@37.5,76.2 ; C3.1@39.25,73.5 v3(41.5,73.5) 41.511,73.5 43.5,73.5 44.183,72.817 44.183,69.774 43.962,69.553 43.286,69.553 U1.3@43.283,69.551
  PWR/SIG/GND2 w0.3: v3(36,76) 36,73 36.8,72.2 40.7,72.2 41.328,72.828 41.328,73.328 v3(41.5,73.5)
NetC4_1: C4.1 U1.7 | length 4.3
  SIG w0.3: C4.1@47.4,66.4 47.167,66.633 46.467,66.633 46.467,68.701 46.815,69.048 47.491,69.048 U1.7@47.494,69.051
NetC8_1: C8.1 C9.1 L1.2 U4.12